# KiCad board px16_regfile.kicad_pcb (continued)
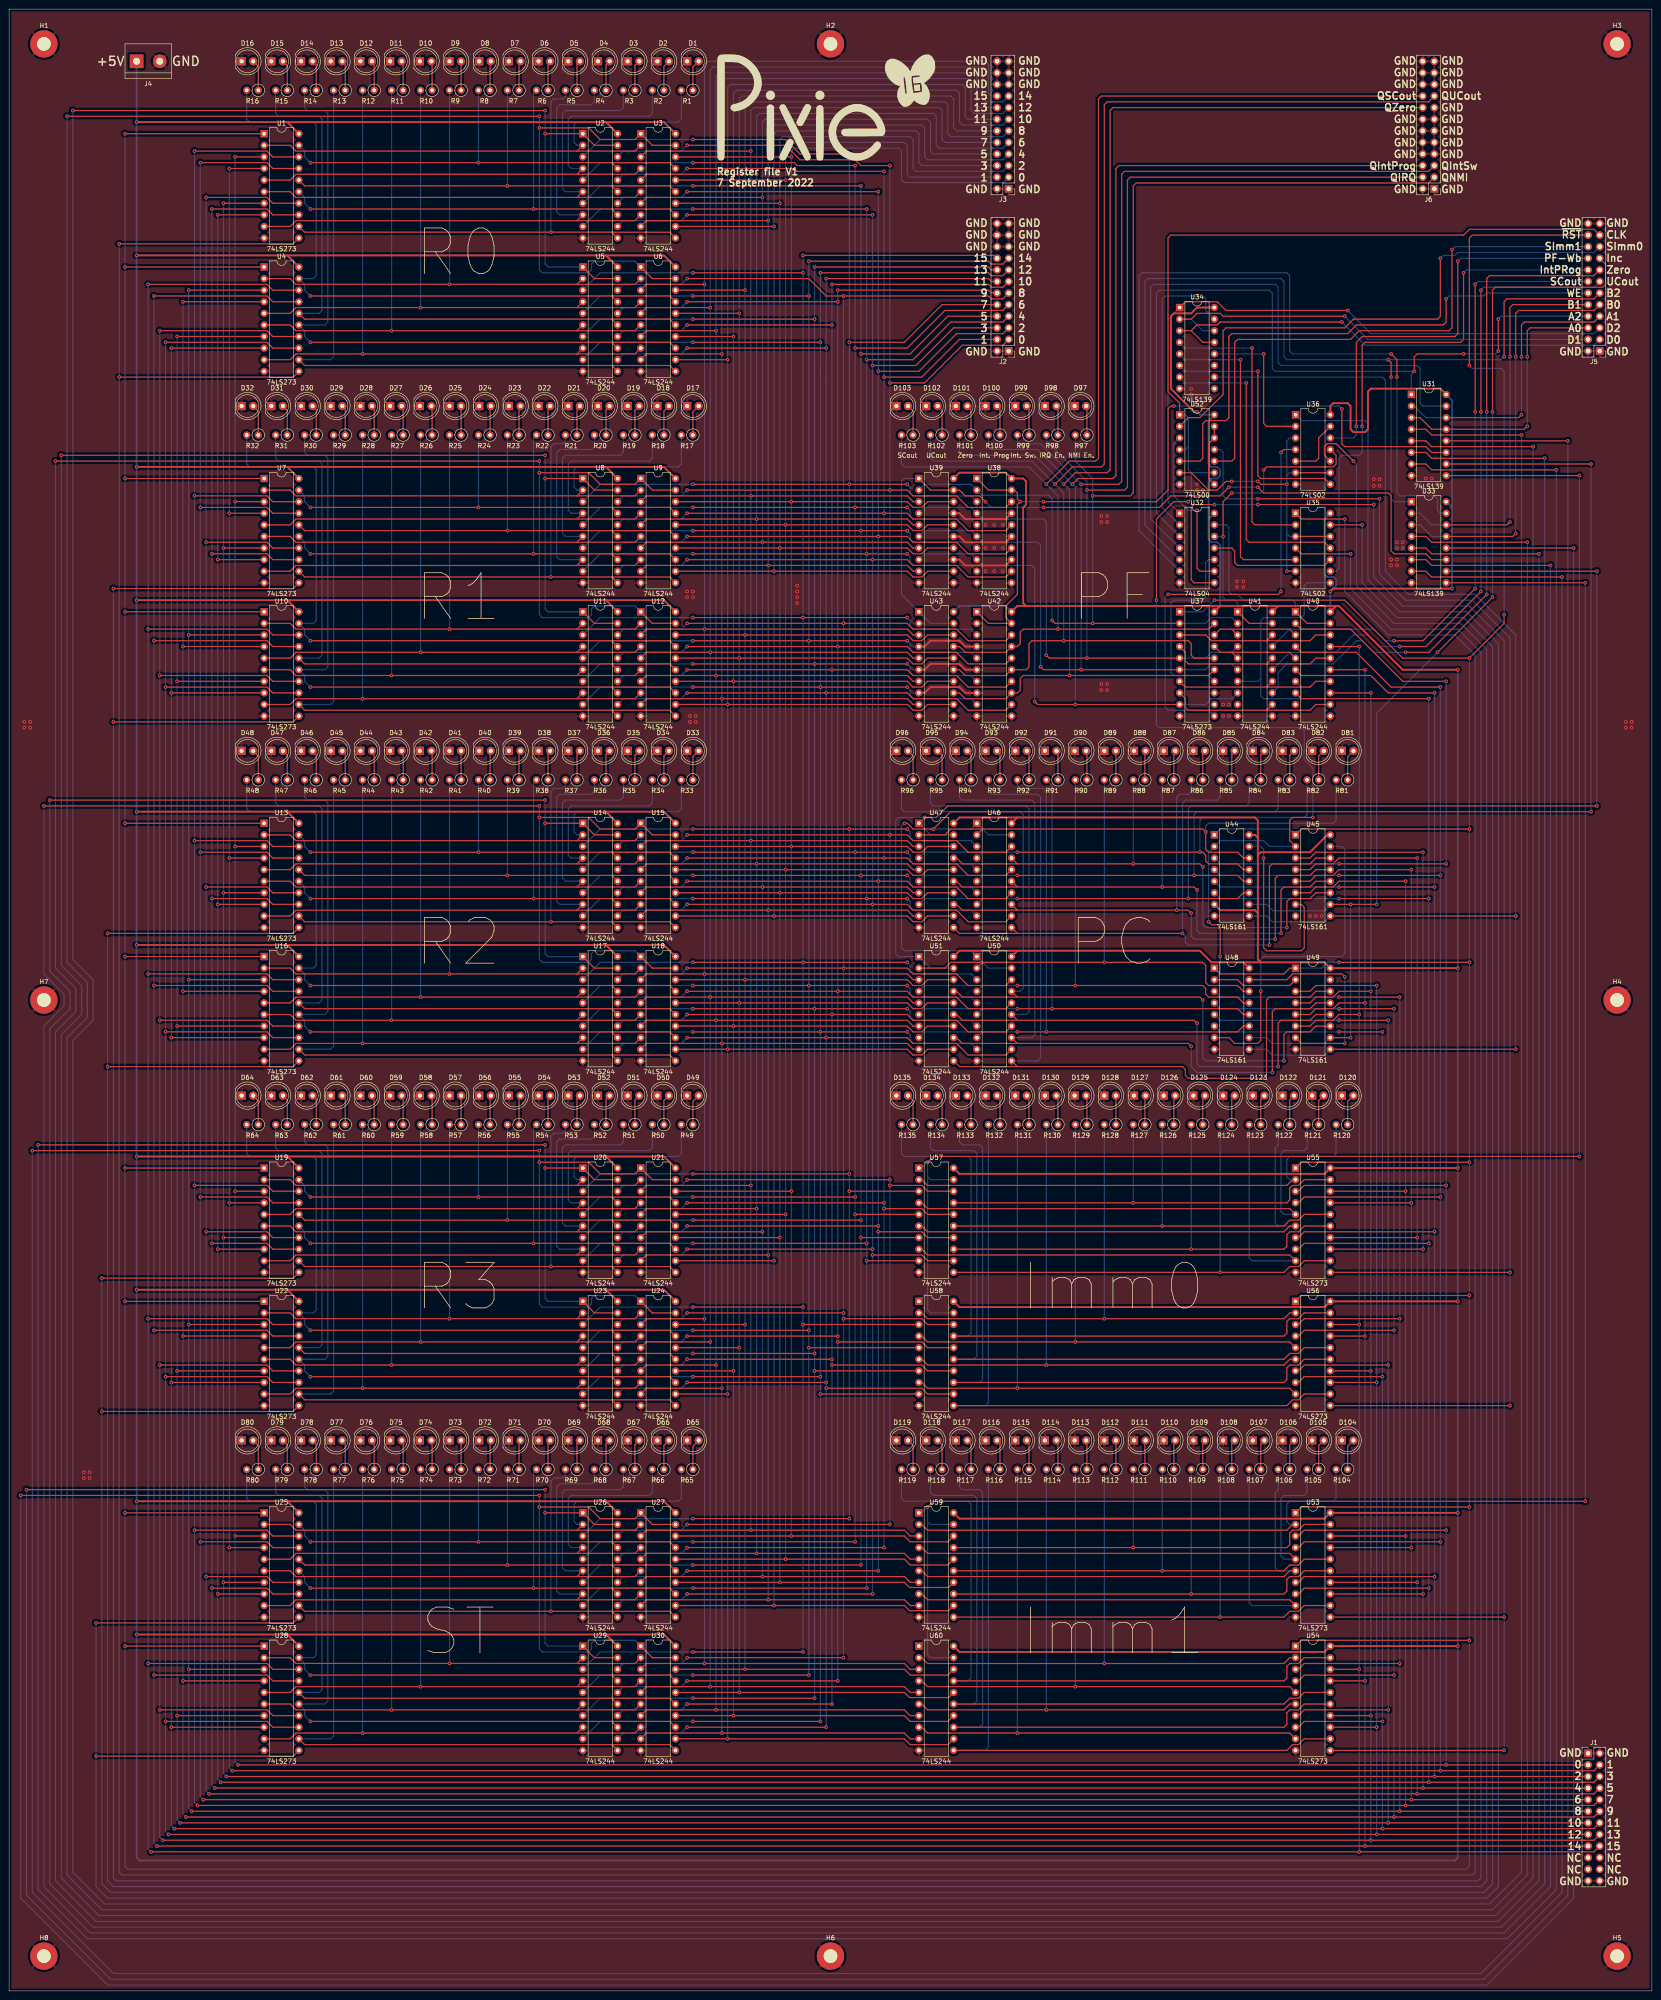
[diagram p0: board, top side]
## Routing (per net, layer and track width the routed paths; a pad name or vN(x,y) marks a point on that pad's centre or on a via; arc(x,y) is an arc through that point) (continued)
  Bottom w0.25: v1(323.85,306.07) v1(323.85,346.07) ; v1(306.07,293.37) 299.08,293.37 296.54,295.91 295.27,295.91 290.19,290.83 280.03,290.83 278.13,288.92 278.13,285.75 U41.13
/~{A2}: length 150
  Bottom w0.25: U32.4 250.19,322.58 250.19,373.38 250.82,374.01 277.5,374.01 278.13,373.38 278.13,356.87 278.76,356.24 308.61,356.24 309.25,355.6 309.25,347.98 309.88,347.34 309.89,347.36 314.96,347.36
/~{B2}: length 186.1
  Top w0.25: v1(302.89,358.77) 304.16,357.5 v1(304.16,353.69)
  Bottom w0.25: v1(304.16,353.69) 304.16,328.29 304.8,327.66 312.42,327.66 313.06,327.02 313.06,324.49 313.69,323.85 U33.15 ; U32.6 247.65,320.04 247.65,375.92 248.28,376.55 280.03,376.55 280.67,375.92 280.67,359.41 281.31,358.77 v1(302.89,358.77)
/~{D2}: length 66.4
  Bottom w0.25: U34.15 262.25,368.3 262.25,370.84 261.62,371.47 253.37,371.47 252.73,370.84 252.73,325.12 U32.2
/~{Imm-OEa}: length 371.3
  Top w0.25: U31.9 v1(344.17,332.1) ; v1(344.17,182.88) 202.56,182.88 v1(201.3,181.61)
  Bottom w0.25: 201.3,178.43 201.93,177.8 U57.19 ; 201.3,178.43 v1(201.3,181.61) 200.02,180.34 U57.1 ; 201.3,178.43 201.3,153.03 ; v1(344.17,182.88) v1(344.17,332.1) ; 201.3,153.03 U58.1 ; 201.3,153.03 201.3,149.22 201.93,148.59 U58.19
/~{Imm-OEb}: length 425.9
  Top w0.25: U33.9 v1(345.44,308.61) ; v1(201.3,106.04) 202.56,107.31 v1(345.44,107.31)
  Bottom w0.25: U60.19 201.93,73.02 201.3,73.66 201.3,102.87 ; 201.3,102.87 v1(201.3,106.04) 200.02,104.77 U59.1 ; 201.3,102.87 201.93,102.23 U59.19 ; v1(345.44,107.31) v1(345.44,308.61) ; 201.3,77.47 U60.1
/~{PC-OEa}: length 332.8
  Top w0.25: v1(196.21,255.9) 196.85,255.9 198.12,254.63 v1(202.56,254.63) 206.38,258.44 v1(346.71,258.44) ; 314.96,334.64 v1(346.71,334.64)
  Bottom w0.25: U50.19 214.63,224.15 U50.1 210.82,227.96 196.21,227.96 195.58,228.6 195.58,255.27 v1(196.21,255.9) ; v1(202.56,254.63) 210.82,254.63 U46.1 214.63,253.36 U46.19 ; v1(346.71,334.64) v1(346.71,258.44)
/~{PC-OEb}: length 293.1
  Top w0.25: U33.10 v1(347.98,311.15) ; v1(200.66,257.17) 203.2,257.17 205.74,259.71 v1(347.98,259.71)
  Bottom w0.25: U47.19 201.93,253.36 U47.1 v1(200.66,257.17) 194.94,257.17 194.31,256.54 194.31,227.33 194.94,226.69 U51.1 201.93,224.15 U51.19 ; v1(347.98,311.15) v1(347.98,259.71)
/~{PC-WE}: length 323.7
  Top w0.25: U49.9 v1(330.2,206.38) ; v1(330.2,235.58) U45.9
  Bottom w0.25: U44.9 275.59,235.58 276.86,234.31 288.29,234.31 U45.9 ; U48.9 275.59,206.38 276.86,205.1 288.29,205.1 U49.9 ; v1(330.2,206.38) v1(330.2,235.58) 330.2,297.18 321.31,306.07 306.7,306.07 301.62,311.15 301.62,353.06 300.99,353.69 U34.10
/~{PF-OEa}: length 170.7
  Top w0.25: v1(226.69,326.39) 251.46,326.39 254,328.93 254,346.71 254.63,347.34 v1(255.27,347.34) ; U38.1 214.63,328.93 U38.19 220.34,328.93 220.98,328.29 220.98,327.02 v1(221.62,326.39) 220.98,325.75 220.98,306.07 218.44,303.53 218.44,300.99 U42.19 214.63,299.72 U42.1 ; 310.51,338.45 292.73,338.45 292.1,339.09 v1(292.1,346.71) ; 310.51,338.44 311.78,337.17 311.8,337.18 U31.11
  Bottom w0.25: v1(255.27,347.34) 291.46,347.34 v1(292.1,346.71) ; v1(221.62,326.39) v1(226.69,326.39)
/~{PF-OEb}: length 176.6
  Top w0.25: U33.11 311.77,313.69 310.5,314.96 303.53,314.96 302.89,315.59 302.89,327.66 302.26,328.29 274.95,328.29 v1(273.69,329.56) ; v1(226.69,325.12) 252.09,325.12 254.63,327.66 265.43,327.66 v1(267.33,329.56) ; v1(214,326.39) 212.73,327.66 209.55,327.66 208.28,328.93 U39.19 201.93,328.93 U39.1
  Bottom w0.25: v1(214,326.39) 215.26,325.12 v1(226.69,325.12) ; U39.1 196.21,331.47 195.58,330.83 195.58,306.07 U43.1 201.93,299.72 U43.19 ; v1(273.69,329.56) v1(267.33,329.56)
/~{PF-Wa}: length 43.6
  Top w0.25: U40.1 284.48,299.72 U40.19
  Bottom w0.25: U32.13 266.7,321.31 267.33,320.67 267.33,306.7 267.97,306.07 269.24,306.07 270.51,304.8 281.31,304.8 281.94,304.16 U40.1
/~{R0-OEa}: length 1223.9
  Top w0.25: v1(117.48,412.11) v1(13.97,412.11) ; 125.73,377.82 128.27,375.28 133.35,375.28 ; v1(117.48,407.03) 125.73,407.03 ; 307.34,342.26 310.5,342.26 311.77,341 v1(331.47,341) ; 125.73,407.04 128.27,404.5 133.35,404.5
  Bottom w0.25: v1(117.48,412.11) v1(117.48,407.03) 117.48,378.46 118.11,377.82 125.73,377.82 ; v1(13.97,412.11) 13.97,226.06 18.41,221.61 18.41,212.72 13.97,208.28 13.97,26.03 20.95,19.05 324.48,19.05 331.47,26.03 v1(331.47,341)
/~{R0-OEb}: length 1236.6
  Top w0.25: 138.43,377.82 140.97,375.28 140.98,375.29 146.05,375.29 ; v1(116.2,408.3) 127,408.3 129.54,405.76 137.16,405.76 138.43,407.03 140.97,404.5 146.05,404.5 ; v1(332.74,317.5) 311.77,317.5 310.5,318.77 U33.4 ; v1(116.2,410.84) v1(12.7,410.84)
  Bottom w0.25: v1(116.2,410.84) v1(116.2,408.3) 116.2,377.19 116.84,376.55 127,376.55 127.64,377.19 127.64,378.46 128.27,379.09 137.16,379.09 138.43,377.82 ; v1(332.74,317.5) 332.74,25.4 325.12,17.78 20.32,17.78 12.7,25.4 12.7,208.91 17.14,213.36 17.14,220.98 12.7,225.42 v1(12.7,410.84)
/~{R0-WE}: length 64.3
  Top w0.25: v1(272.41,360.04) 272.41,321.94 273.05,321.31 U35.2
  Bottom w0.25: U34.4 257.81,360.04 v1(272.41,360.04)
/~{R1-OEa}: length 1159.6
  Top w0.25: U31.5 310.5,339.72 311.77,338.45 v1(334.01,338.45) ; v1(117.48,331.47) 125.73,331.47 ; 133.35,299.72 128.27,299.72 125.73,302.26 ; v1(117.48,336.55) v1(11.43,336.55) ; 133.35,328.93 128.27,328.93 125.73,331.47
  Bottom w0.25: v1(334.01,338.45) 334.01,24.76 325.75,16.51 19.68,16.51 11.43,24.76 11.43,209.55 15.88,213.99 15.88,220.34 11.43,224.79 v1(11.43,336.55) ; 125.73,302.26 118.11,302.26 117.48,302.89 v1(117.48,331.47) v1(117.48,336.55)
/~{R1-OEb}: length 1172.3
  Top w0.25: 138.43,302.26 140.97,299.72 140.98,299.72 146.05,299.72 ; U33.5 310.5,316.23 311.77,314.96 v1(335.28,314.96) ; 146.05,328.93 140.97,328.93 138.43,331.47 137.16,330.2 129.54,330.2 127,332.74 v1(116.2,332.74) ; v1(116.2,335.28) v1(10.16,335.28)
  Bottom w0.25: v1(116.2,335.28) v1(116.2,332.74) 116.2,301.62 116.84,300.99 127,300.99 127.64,301.62 127.64,302.89 128.27,303.53 137.16,303.53 138.43,302.26 ; v1(10.16,335.28) 10.16,224.15 14.6,219.71 14.6,214.63 10.16,210.18 10.16,24.13 19.05,15.24 326.39,15.24 335.28,24.13 v1(335.28,314.96)
/~{R1-WE}: length 69.4
  Top w0.25: v1(269.88,357.5) 269.88,314.32 270.51,313.69 U35.5
  Bottom w0.25: U34.5 257.81,357.5 v1(269.88,357.5)
/~{R2-OEa}: length 1095.3
  Top w0.25: U31.6 310.5,337.18 311.78,335.9 336.53,335.9 v1(336.55,335.91) ; U17.1 128.27,224.15 U17.19 ; v1(117.48,260.99) v1(8.89,260.99) ; v1(117.48,255.9) U14.1 ; 125.73,255.91 128.27,253.36 U14.19
  Bottom w0.25: v1(117.48,260.99) v1(117.48,255.9) 117.48,227.33 118.11,226.69 U17.1 ; v1(8.89,260.99) 8.89,223.52 13.34,219.07 13.34,215.26 8.89,210.82 8.89,23.49 18.41,13.97 327.02,13.97 336.55,23.49 v1(336.55,335.91)
/~{R2-OEb}: length 1107.9
  Top w0.25: v1(116.2,259.71) v1(7.62,259.71) ; 146.05,224.16 140.98,224.16 140.97,224.15 U18.1 ; U33.6 310.5,313.69 311.77,312.42 v1(337.82,312.42) ; U15.19 140.97,253.36 U15.1 137.16,254.63 129.54,254.63 127,257.17 v1(116.2,257.17)
  Bottom w0.25: v1(337.82,312.42) 337.82,22.86 327.66,12.7 17.78,12.7 7.62,22.86 7.62,211.45 12.06,215.9 12.06,218.44 7.62,222.88 v1(7.62,259.71) ; v1(116.2,259.71) v1(116.2,257.17) 116.2,226.06 116.84,225.42 127,225.42 127.64,226.06 127.64,227.33 128.27,227.96 137.16,227.96 U18.1
/~{R2-WE}: length 57.2
  Top w0.25: v1(273.69,354.96) 273.69,332.1 274.32,331.47 288.3,331.47 U36.8
  Bottom w0.25: v1(273.69,354.96) 257.81,354.96 U34.6
/~{R3-OEa}: length 1027.2
  Top w0.25: 307.34,334.64 310.5,334.64 311.78,333.36 339.07,333.36 v1(339.09,333.38) ; 133.35,177.8 128.27,177.8 125.73,180.34 ; 125.73,151.13 128.27,148.59 133.35,148.59 ; v1(117.48,185.42) v1(6.35,185.42) ; v1(117.48,180.34) 125.73,180.34
  Bottom w0.25: 125.73,151.13 118.11,151.13 117.48,151.76 v1(117.48,180.34) v1(117.48,185.42) ; v1(339.09,333.38) 339.09,22.22 328.29,11.43 17.14,11.43 6.35,22.22 v1(6.35,185.42)
/~{R3-OEb}: length 1045.1
  Top w0.25: 146.05,148.59 140.98,148.59 140.97,148.59 138.43,151.13 ; 146.05,177.8 140.97,177.8 138.43,180.34 137.16,179.07 129.54,179.07 127,181.61 v1(116.2,181.61) ; v1(116.2,184.15) v1(5.08,184.15) ; v1(340.36,309.88) 311.77,309.88 310.5,311.15 U33.7
  Bottom w0.25: v1(340.36,309.88) 340.36,21.59 322.58,3.81 22.86,3.81 5.08,21.59 v1(5.08,184.15) ; 138.43,151.13 137.16,152.4 128.27,152.4 127.64,151.76 127.64,150.49 127,149.86 116.84,149.86 116.2,150.49 v1(116.2,181.61) v1(116.2,184.15)
/~{R3-WE}: length 68.6
  Top w0.25: U35.11 288.29,317.5 271.78,317.5 271.14,318.13 v1(271.14,352.42)
  Bottom w0.25: v1(271.14,352.42) 257.81,352.42 U34.7
/~{RST}: length 1712.2
  Top w0.25: U56.1 283.21,152.4 v1(320.04,152.4) ; U48.1 265.43,222.88 279.4,222.88 280.67,224.15 U49.1 ; v1(25.4,104.77) 25.41,104.77 U25.1 ; v1(264.16,304.8) 292.73,304.8 305.44,292.1 v1(320.04,292.1) 327.66,299.72 v1(327.66,301.62) ; v1(320.04,254.63) 283.21,254.63 U45.1 ; U7.1 25.41,331.46 v1(25.4,331.47) ; U13.1 v1(25.4,255.9) ; v1(320.04,76.83) 283.21,76.83 U54.1 ; v1(320.04,225.42) v1(291.46,225.42) ; U22.1 25.41,151.12 v1(25.4,151.13) ; U55.1 283.21,181.61 v1(320.04,181.61) ; U16.1 v1(25.4,226.69) ; v1(25.4,407.03) 25.41,407.03 U1.1 ; U19.1 25.41,180.33 v1(25.4,180.34) ; U4.1 25.41,377.82 v1(25.4,377.82) ; U28.1 v1(25.4,75.56) ; U10.1 25.41,302.25 v1(25.4,302.26) ; U53.1 283.21,106.04 v1(320.04,106.04) ; J5.22 320.68,384.81 320.04,384.17 v1(320.04,356.24)
  Bottom w0.25: v1(25.4,407.03) v1(25.4,255.9) v1(25.4,180.34) v1(25.4,151.13) v1(25.4,104.77) v1(25.4,75.56) 25.4,27.3 26.03,26.67 319.4,26.67 320.04,27.3 v1(320.04,76.83) v1(320.04,106.04) v1(320.04,152.4) v1(320.04,181.61) v1(320.04,225.42) v1(320.04,254.63) v1(320.04,292.1) ; U44.1 265.43,254.63 280.67,254.63 U45.1 ; U49.1 287.65,224.15 288.93,225.42 v1(291.46,225.42) ; v1(327.66,301.62) 327.66,354.96 327.02,355.6 320.68,355.6 v1(320.04,356.24) ; U37.1 261.62,302.26 v1(264.16,304.8)
/~{ST-OEa}: length 968.9
  Top w0.25: v1(117.48,109.85) v1(3.81,109.85) ; 125.73,104.78 128.27,102.23 U26.19 ; v1(117.48,104.77) U26.1 ; U29.1 128.27,73.02 U29.19 ; U31.12 v1(341.63,339.72)
  Bottom w0.25: v1(3.81,109.85) 3.81,20.95 22.23,2.54 323.21,2.54 341.63,20.95 v1(341.63,339.72) ; v1(117.48,109.85) v1(117.48,104.77) 117.48,76.2 118.11,75.56 U29.1
/~{ST-OEb}: length 981.5
  Top w0.25: U33.12 v1(342.9,316.23) ; U30.19 140.98,73.03 140.97,73.02 138.43,75.56 U30.1 ; v1(116.2,106.04) 127,106.04 129.54,103.5 137.16,103.5 U27.1 140.97,102.23 U27.19 ; v1(116.2,108.58) v1(2.54,108.58)
  Bottom w0.25: v1(342.9,316.23) 342.9,20.32 323.85,1.27 21.59,1.27 2.54,20.32 v1(2.54,108.58) ; 138.43,75.56 137.16,76.83 128.27,76.83 127.64,76.2 127.64,74.93 127,74.29 116.84,74.29 116.2,74.93 v1(116.2,106.04) v1(116.2,108.58)
/~{ST-WE}: length 33.3
  Top w0.25: U36.2 275.59,342.9 274.95,343.53 v1(274.95,358.77)
  Bottom w0.25: v1(274.95,358.77) U34.12
Net-(D1-Pad2): length 6.9
  Top w0.25: D1.2 149.86,421.64 R1.1
Net-(D2-Pad2): length 6.8
  Top w0.25: R2.1 143.51,421.8 D2.2
Net-(D3-Pad2): length 6.7
  Top w0.25: D3.2 137.16,421.96 R3.1
Net-(D4-Pad2): length 6.7
  Top w0.25: R4.1 130.81,422.12 D4.2
Net-(D5-Pad2): length 6.6
  Top w0.25: R5.1 124.46,422.27 D5.2
Net-(D6-Pad2): length 6.5
  Top w0.25: D6.2 118.11,422.43 R6.1
Net-(D7-Pad2): length 6.5
  Top w0.25: R7.1 111.76,422.59 D7.2
Net-(D8-Pad2): length 6.4
  Top w0.25: R8.1 105.41,422.75 D8.2
Net-(D9-Pad2): length 6.3
  Top w0.25: R9.1 D9.2
Net-(D10-Pad2): length 6.4
  Top w0.25: R10.1 92.71,422.75 D10.2
Net-(D11-Pad2): length 6.5
  Top w0.25: R11.1 86.36,422.59 D11.2
Net-(D12-Pad2): length 6.5
  Top w0.25: R12.1 80.01,422.43 D12.2
Net-(D13-Pad2): length 6.6
  Top w0.25: R13.1 73.66,422.27 D13.2
Net-(D14-Pad2): length 6.7
  Top w0.25: D14.2 67.31,422.12 R14.1
Net-(D15-Pad2): length 6.7
  Top w0.25: R15.1 60.96,421.96 D15.2
Net-(D16-Pad2): length 6.8
  Top w0.25: R16.1 54.61,421.8 D16.2
Net-(D17-Pad2): length 6.9
  Top w0.25: D17.2 149.86,346.07 R17.1
Net-(D18-Pad2): length 6.8
  Top w0.25: R18.1 143.51,346.23 D18.2
Net-(D19-Pad2): length 6.7
  Top w0.25: R19.1 137.16,346.39 D19.2
Net-(D20-Pad2): length 6.7
  Top w0.25: R20.1 130.81,346.55 D20.2
Net-(D21-Pad2): length 6.6
  Top w0.25: R21.1 124.46,346.71 D21.2
Net-(D22-Pad2): length 6.5
  Top w0.25: D22.2 118.11,346.87 R22.1
Net-(D23-Pad2): length 6.5
  Top w0.25: D23.2 111.76,347.03 R23.1
Net-(D24-Pad2): length 6.4
  Top w0.25: D24.2 105.41,347.19 R24.1
Net-(D25-Pad2): length 6.3
  Top w0.25: R25.1 D25.2
Net-(D26-Pad2): length 6.4
  Top w0.25: R26.1 92.71,347.19 D26.2
Net-(D27-Pad2): length 6.5
  Top w0.25: R27.1 86.36,347.03 D27.2
Net-(D28-Pad2): length 6.5
  Top w0.25: D28.2 80.01,346.87 R28.1
Net-(D29-Pad2): length 6.6
  Top w0.25: D29.2 73.66,346.71 R29.1
Net-(D30-Pad2): length 6.7
  Top w0.25: R30.1 67.31,346.55 D30.2
Net-(D31-Pad2): length 6.7
  Top w0.25: D31.2 60.96,346.39 R31.1
Net-(D32-Pad2): length 6.8
  Top w0.25: R32.1 54.61,346.23 D32.2
Net-(D33-Pad2): length 6.9
  Top w0.25: D33.2 149.86,270.51 149.86,265.43
Net-(D34-Pad2): length 6.8
  Top w0.25: D34.2 143.51,270.67 143.51,265.43
Net-(D35-Pad2): length 6.7
  Top w0.25: 137.16,265.43 137.16,270.83 D35.2
Net-(D36-Pad2): length 6.7
  Top w0.25: D36.2 130.81,270.99 130.81,265.43
Net-(D37-Pad2): length 6.6
  Top w0.25: 124.46,265.43 124.46,271.14 D37.2
Net-(D38-Pad2): length 6.5
  Top w0.25: D38.2 118.11,271.3 118.11,265.43
Net-(D39-Pad2): length 6.5
  Top w0.25: 111.76,265.43 111.76,271.46 D39.2
Net-(D40-Pad2): length 6.4
  Top w0.25: 105.41,265.43 105.41,271.62 105.57,271.78
Net-(D41-Pad2): length 6.3
  Top w0.25: 99.06,265.43 99.06,271.78
Net-(D42-Pad2): length 6.4
  Top w0.25: 92.71,265.43 92.71,271.62 D42.2
Net-(D43-Pad2): length 6.5
  Top w0.25: 86.36,265.43 86.36,271.46 D43.2
Net-(D44-Pad2): length 6.5
  Top w0.25: 80.01,265.43 80.01,271.3 D44.2
Net-(D45-Pad2): length 6.6
  Top w0.25: D45.2 73.66,271.14 73.66,265.43
Net-(D46-Pad2): length 6.7
  Top w0.25: 67.31,265.43 67.31,270.99 D46.2
Net-(D47-Pad2): length 6.7
  Top w0.25: D47.2 60.96,270.83 60.96,265.43
Net-(D48-Pad2): length 6.8
  Top w0.25: 54.61,265.43 54.61,270.67 D48.2
Net-(D49-Pad2): length 6.9
  Top w0.25: 151.13,196.21 149.86,194.94 R49.1
Net-(D50-Pad2): length 6.8
  Top w0.25: R50.1 143.51,195.1 D50.2
Net-(D51-Pad2): length 6.7
  Top w0.25: D51.2 137.16,195.26 137.16,189.86
Net-(D52-Pad2): length 6.7
  Top w0.25: D52.2 130.81,195.42 130.81,189.86
Net-(D53-Pad2): length 6.6
  Top w0.25: D53.2 124.46,195.58 R53.1
Net-(D54-Pad2): length 6.5
  Top w0.25: R54.1 118.11,195.74 D54.2
Net-(D55-Pad2): length 6.5
  Top w0.25: R55.1 111.76,195.9 D55.2
Net-(D56-Pad2): length 6.4
  Top w0.25: R56.1 105.41,196.06 D56.2
Net-(D57-Pad2): length 6.4
  Top w0.25: R57.1 D57.2
Net-(D58-Pad2): length 6.4
  Top w0.25: R58.1 92.71,196.06 D58.2
Net-(D59-Pad2): length 6.5
  Top w0.25: R59.1 86.36,195.9 D59.2
Net-(D60-Pad2): length 6.5
  Top w0.25: D60.2 80.01,195.74 R60.1
Net-(D61-Pad2): length 6.6
  Top w0.25: R61.1 73.66,195.58 D61.2
Net-(D62-Pad2): length 6.7
  Top w0.25: R62.1 67.31,195.42 D62.2
Net-(D63-Pad2): length 6.7
  Top w0.25: R63.1 60.96,195.26 D63.2
Net-(D64-Pad2): length 6.8
  Top w0.25: D64.2 54.61,195.1 R64.1
Net-(D65-Pad2): length 6.9
  Top w0.25: R65.1 149.86,119.38 D65.2
Net-(D66-Pad2): length 6.8
  Top w0.25: D66.2 143.51,119.54 R66.1
Net-(D67-Pad2): length 6.7
  Top w0.25: R67.1 137.16,119.7 D67.2
Net-(D68-Pad2): length 6.7
  Top w0.25: R68.1 130.81,119.86 D68.2
Net-(D69-Pad2): length 6.6
  Top w0.25: D69.2 124.46,120.01 R69.1
Net-(D70-Pad2): length 6.5
  Top w0.25: R70.1 118.11,120.17 D70.2
Net-(D71-Pad2): length 6.5
  Top w0.25: D71.2 111.76,120.33 R71.1
Net-(D72-Pad2): length 6.4
  Top w0.25: R72.1 105.41,120.49 D72.2
Net-(D73-Pad2): length 6.4
  Top w0.25: R73.1 D73.2
Net-(D74-Pad2): length 6.4
  Top w0.25: R74.1 92.71,120.49 D74.2
Net-(D75-Pad2): length 6.5
  Top w0.25: R75.1 86.36,120.33 D75.2
Net-(D76-Pad2): length 6.5
  Top w0.25: D76.2 80.01,120.17 R76.1
Net-(D77-Pad2): length 6.6
  Top w0.25: D77.2 73.66,120.01 R77.1
Net-(D78-Pad2): length 6.7
  Top w0.25: D78.2 67.31,119.86 R78.1
Net-(D79-Pad2): length 6.7
  Top w0.25: R79.1 60.96,119.7 D79.2
Net-(D80-Pad2): length 6.8
  Top w0.25: D80.2 54.61,119.54 R80.1
Net-(D81-Pad2): length 6.9
  Top w0.25: D81.2 293.37,270.51 R81.1
Net-(D82-Pad2): length 6.8
  Top w0.25: D82.2 287.02,270.67 R82.1
Net-(D83-Pad2): length 6.7
  Top w0.25: D83.2 280.67,270.83 R83.1
Net-(D84-Pad2): length 6.7
  Top w0.25: D84.2 274.32,270.99 R84.1
Net-(D85-Pad2): length 6.6
  Top w0.25: D85.2 267.97,271.14 R85.1
Net-(D86-Pad2): length 6.5
  Top w0.25: R86.1 261.62,271.3 D86.2
Net-(D87-Pad2): length 6.5
  Top w0.25: D87.2 255.27,271.46 R87.1
Net-(D88-Pad2): length 6.4
  Top w0.25: R88.1 248.92,271.62 249.08,271.78
Net-(D89-Pad2): length 6.3
  Top w0.25: R89.1 242.57,271.78
Net-(D90-Pad2): length 6.4
  Top w0.25: R90.1 236.22,271.62 D90.2
Net-(D91-Pad2): length 6.5
  Top w0.25: R91.1 229.87,271.46 D91.2
Net-(D92-Pad2): length 6.5
  Top w0.25: D92.2 223.52,271.3 R92.1
Net-(D93-Pad2): length 6.6
  Top w0.25: D93.2 217.17,271.14 R93.1
Net-(D94-Pad2): length 6.7
  Top w0.25: R94.1 210.82,270.99 D94.2
Net-(D95-Pad2): length 6.7
  Top w0.25: D95.2 204.47,270.83 R95.1
Net-(D96-Pad2): length 6.8
  Top w0.25: D96.2 198.12,270.67 R96.1
Net-(D97-Pad2): length 6.4
  Top w0.25: D97.2 236.22,347.19 R97.1
Net-(D98-Pad2): length 6.5
  Top w0.25: R98.1 229.87,347.03 D98.2
Net-(D99-Pad2): length 6.5
  Top w0.25: R99.1 223.52,346.87 D99.2
Net-(D100-Pad2): length 6.6
  Top w0.25: R100.1 217.17,346.71 D100.2
Net-(D101-Pad2): length 6.7
  Top w0.25: R101.1 210.82,346.55 D101.2
Net-(D102-Pad2): length 6.7
  Top w0.25: R102.1 204.47,346.39 D102.2
Net-(D103-Pad2): length 6.8
  Top w0.25: R103.1 198.12,346.23 D103.2
Net-(D104-Pad2): length 6.9
  Top w0.25: R104.1 293.37,119.38 D104.2
Net-(D105-Pad2): length 6.8
  Top w0.25: R105.1 287.02,119.54 D105.2
Net-(D106-Pad2): length 6.7
  Top w0.25: D106.2 280.67,119.7 R106.1
Net-(D107-Pad2): length 6.7
  Top w0.25: D107.2 274.32,119.86 R107.1
Net-(D108-Pad2): length 6.6
  Top w0.25: D108.2 267.97,120.01 R108.1
Net-(D109-Pad2): length 6.5
  Top w0.25: R109.1 261.62,120.17 D109.2
Net-(D110-Pad2): length 6.5
  Top w0.25: R110.1 255.27,120.33 D110.2
Net-(D111-Pad2): length 6.4
  Top w0.25: R111.1 248.92,120.49 D111.2
Net-(D112-Pad2): length 6.4
  Top w0.25: R112.1 D112.2
Net-(D113-Pad2): length 6.4
  Top w0.25: D113.2 236.22,120.49 R113.1
Net-(D114-Pad2): length 6.5
  Top w0.25: R114.1 229.87,120.33 D114.2
Net-(D115-Pad2): length 6.5
  Top w0.25: R115.1 223.52,120.17 D115.2
Net-(D116-Pad2): length 6.6
  Top w0.25: R116.1 217.17,120.01 D116.2
Net-(D117-Pad2): length 6.7
  Top w0.25: R117.1 210.82,119.86 D117.2
Net-(D118-Pad2): length 6.7
  Top w0.25: D118.2 204.47,119.7 R118.1
Net-(D119-Pad2): length 6.8
  Top w0.25: R119.1 198.12,119.54 D119.2
Net-(D120-Pad2): length 6.9
  Top w0.25: R120.1 293.37,194.94 D120.2
Net-(D121-Pad2): length 6.8
  Top w0.25: R121.1 287.02,195.1 D121.2
Net-(D122-Pad2): length 6.7
  Top w0.25: R122.1 280.67,195.26 D122.2
Net-(D123-Pad2): length 6.7
  Top w0.25: D123.2 274.32,195.42 R123.1
Net-(D124-Pad2): length 6.6
  Top w0.25: D124.2 267.97,195.58 R124.1
Net-(D125-Pad2): length 6.5
  Top w0.25: D125.2 261.62,195.74 R125.1
Net-(D126-Pad2): length 6.5
  Top w0.25: R126.1 255.27,195.9 D126.2
Net-(D127-Pad2): length 6.4
  Top w0.25: D127.2 248.92,196.06 R127.1
Net-(D128-Pad2): length 6.4
  Top w0.25: R128.1 D128.2
Net-(D129-Pad2): length 6.4
  Top w0.25: D129.2 236.22,196.06 R129.1
Net-(D130-Pad2): length 6.5
  Top w0.25: R130.1 229.87,195.9 D130.2
Net-(D131-Pad2): length 6.5
  Top w0.25: R131.1 223.52,195.74 D131.2
Net-(D132-Pad2): length 6.6
  Top w0.25: R132.1 217.17,195.58 D132.2
Net-(D133-Pad2): length 6.7
  Top w0.25: D133.2 210.82,195.42 R133.1
Net-(D134-Pad2): length 6.7
  Top w0.25: R134.1 204.47,195.26 D134.2
Net-(D135-Pad2): length 6.8
  Top w0.25: R135.1 198.12,195.1 D135.2
Net-(U32-Pad9): length 36.4
  Top w0.25: v1(260.35,324.49) 260.35,311.78 260.98,311.15 U32.9
  Bottom w0.25: v1(260.35,324.49) 258.44,324.49 255.27,327.66 255.27,339.09 U52.3
Net-(U32-Pad10): length 43.5
  Bottom w0.25: U37.14 262.89,288.29 255.27,288.29 254.63,288.92 254.63,304.16 255.27,304.8 261.62,304.8 262.25,305.43 262.25,313.05 262.89,313.69 U32.10
Net-(U32-Pad11): length 29
  Top w0.25: U32.11 267.97,316.23 268.6,315.59 268.6,313.05 269.24,312.42 288.29,312.42 U35.10
Net-(U35-Pad12): length 78.4
  Top w0.25: U35.3 U35.12 ; v1(280.03,311.15) U35.6 ; v1(267.97,330.83) 266.7,330.83 264.79,328.93 262.89,328.93 259.08,332.74 U52.6 ; v1(273.69,330.83) 274.32,330.2 v1(280.03,330.2) ; U36.9 U36.6
  Bottom w0.25: U35.3 280.67,318.77 280.03,319.4 ; v1(267.97,330.83) v1(273.69,330.83) ; 280.03,332.1 v1(280.03,311.15) ; 280.03,332.1 280.67,332.74 U36.6 ; 280.03,332.1 280.03,339.72 280.67,340.36 U36.3
Net-(U36-Pad13): length 13.4
  Top w0.25: U36.13 287.02,340.35 287.02,335.91 286.38,335.28 U36.5
Net-(U44-Pad15): length 45.5
  Top w0.25: U45.7 283.21,238.12 283.84,237.49 283.84,228.6 283.21,227.96 275.59,227.96 274.95,228.6 v1(274.95,248.28)
  Bottom w0.25: U44.15 274.32,250.82 274.95,250.19 v1(274.95,248.28)
Net-(U45-Pad15): length 74
  Top w0.25: v1(274.32,219.07) 274.32,208.28 273.69,207.64 268.6,207.64 267.33,208.91 U48.7
  Bottom w0.25: U45.15 292.1,250.82 292.73,250.19 292.73,227.33 292.1,226.69 274.95,226.69 274.32,226.06 v1(274.32,219.07)
Net-(U48-Pad15): length 47.7
  Top w0.25: U48.15 280.03,221.61 281.31,222.88 292.1,222.88 v1(292.73,222.25) ; U49.7 283.21,207.64 v1(292.73,207.64)
  Bottom w0.25: v1(292.73,222.25) v1(292.73,207.64)
Net-(U52-Pad12): length 13.8
  Top w0.25: U52.13 U52.12 262.89,339.09 262.89,331.47 U52.8

## Copper pours and planes (outline as drawn; the poured copper is in the pictures)
GND on Top: 361.31,-1.27 -1.27,-1.27 -1.27,435.61 361.31,435.61
GND on Bottom: 362.58,-2.54 -2.54,-2.54 -2.54,436.88 362.58,436.88

## Text on the board
B.Silkscreen: GND / GND / GND / 15 / 13 / 11 / 9 / 7 / 5 / 3 / 1 / GND | GND / GND / GND / QSCout / QZero / GND / GND / GND / GND / QIntProg / QIRQ / GND | GND / ~{RST} / SImm1 / PF-Wb / IntPRog / SCout / WE / B1 / A2 / A0 / D1 / GND | GND / 0 / 2 / 4 / 6 / 8 / 10 / 12 / 14 / NC / NC / GND | GND / GND / GND / 14 / 12 / 10 / 8 / 6 / 4 / 2 / 0 / GND | GND / GND / GND / QUCout / GND / GND / GND / GND / GND / QIntSw / QNMI / GND | GND / CLK / SImm0 / Inc / Zero / UCout / B2 / B0 / A1 / D2 / D0 / GND | GND / 1 / 3 / 5 / 7 / 9 / 11 / 13 / 15 / NC / NC / GND | +5V | GND | Write issues here:
F.Silkscreen: 74LS273 | 74LS244 | SCout | UCout | Zero | Int. Prog | Int. Sw. | IRQ En. | NMI En. | 74LS139 | 74LS00 | 74LS04 | 74LS161 | 74LS02 | Register file V1 / 7 September 2022 | GND / GND / GND / 14 / 12 / 10 / 8 / 6 / 4 / 2 / 0 / GND | GND / GND / GND / QUCout / GND / GND / GND / GND / GND / QIntSw / QNMI / GND | GND / CLK / SImm0 / Inc / Zero / UCout / B2 / B0 / A1 / D2 / D0 / GND | GND / 1 / 3 / 5 / 7 / 9 / 11 / 13 / 15 / NC / NC / GND | GND / GND / GND / 15 / 13 / 11 / 9 / 7 / 5 / 3 / 1 / GND | GND / GND / GND / QSCout / QZero / GND / GND / GND / GND / QIntProg / QIRQ / GND | GND / ~{RST} / SImm1 / PF-Wb / IntPRog / SCout / WE / B1 / A2 / A0 / D1 / GND | GND / 0 / 2 / 4 / 6 / 8 / 10 / 12 / 14 / NC / NC / GND | +5V | GND | R0 | R1 | R2 | R3 | ST | PF | PC | Imm0 | Imm1
